# KiCad board pandemonium EC.kicad_pcb
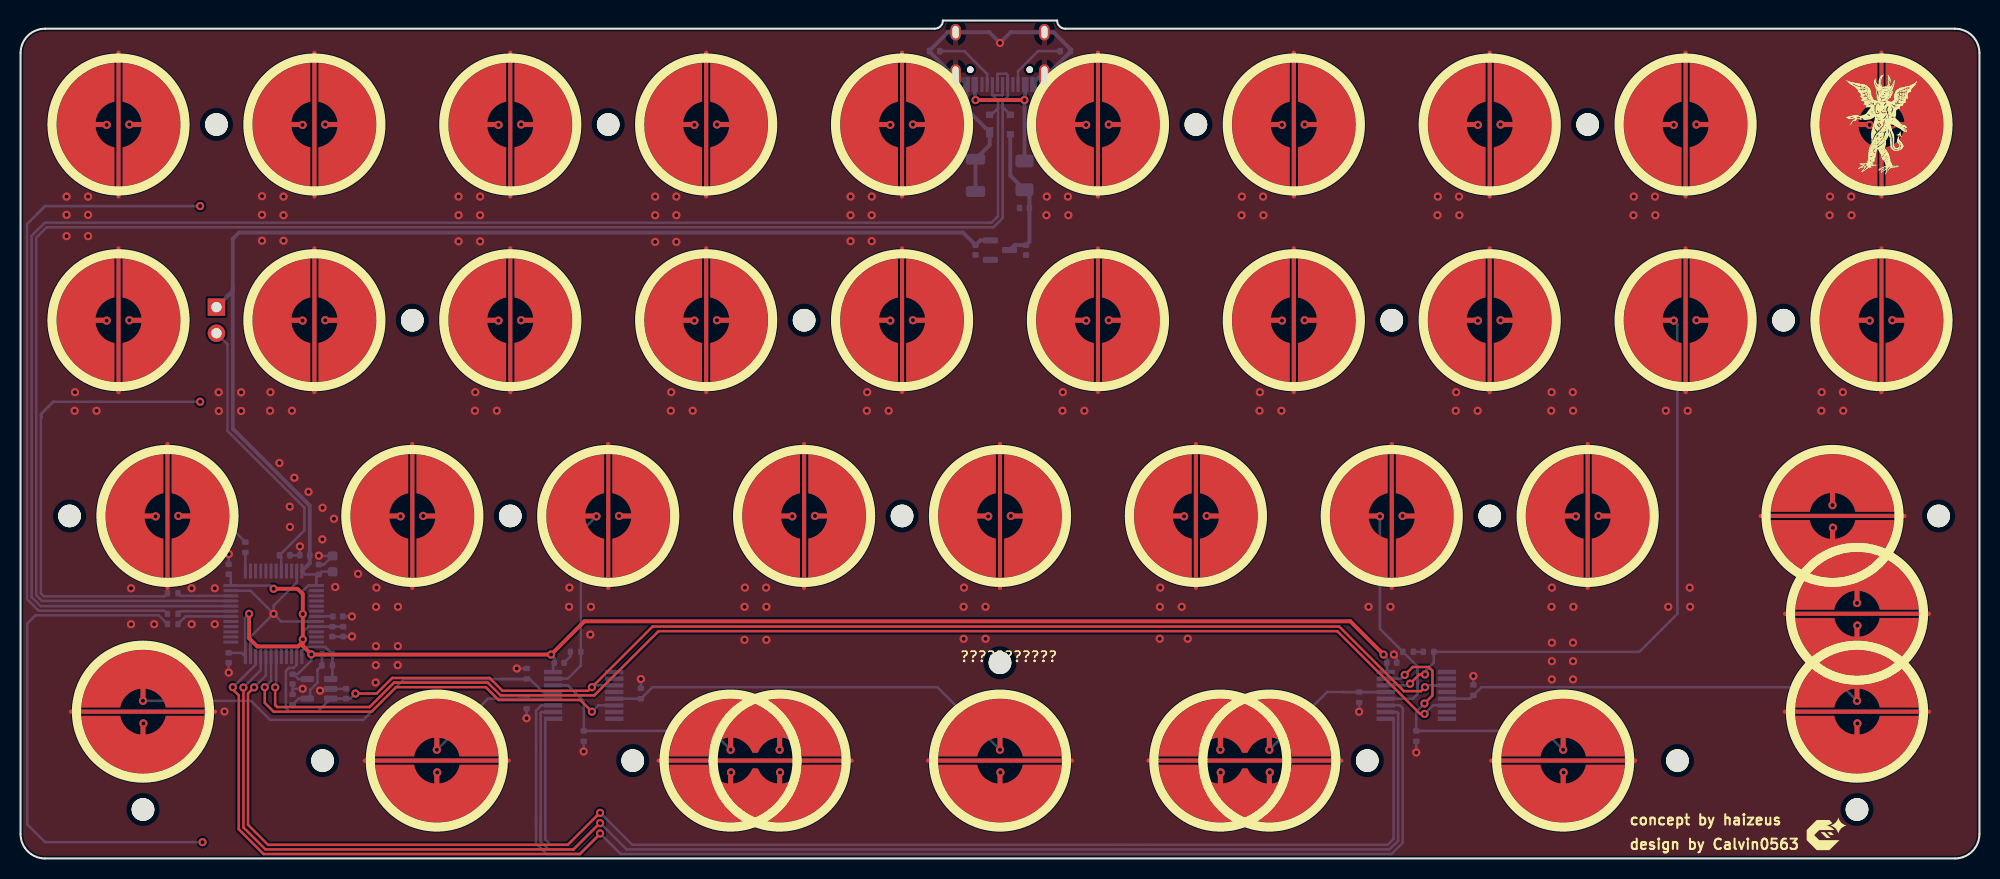
[diagram p0: board, top side]
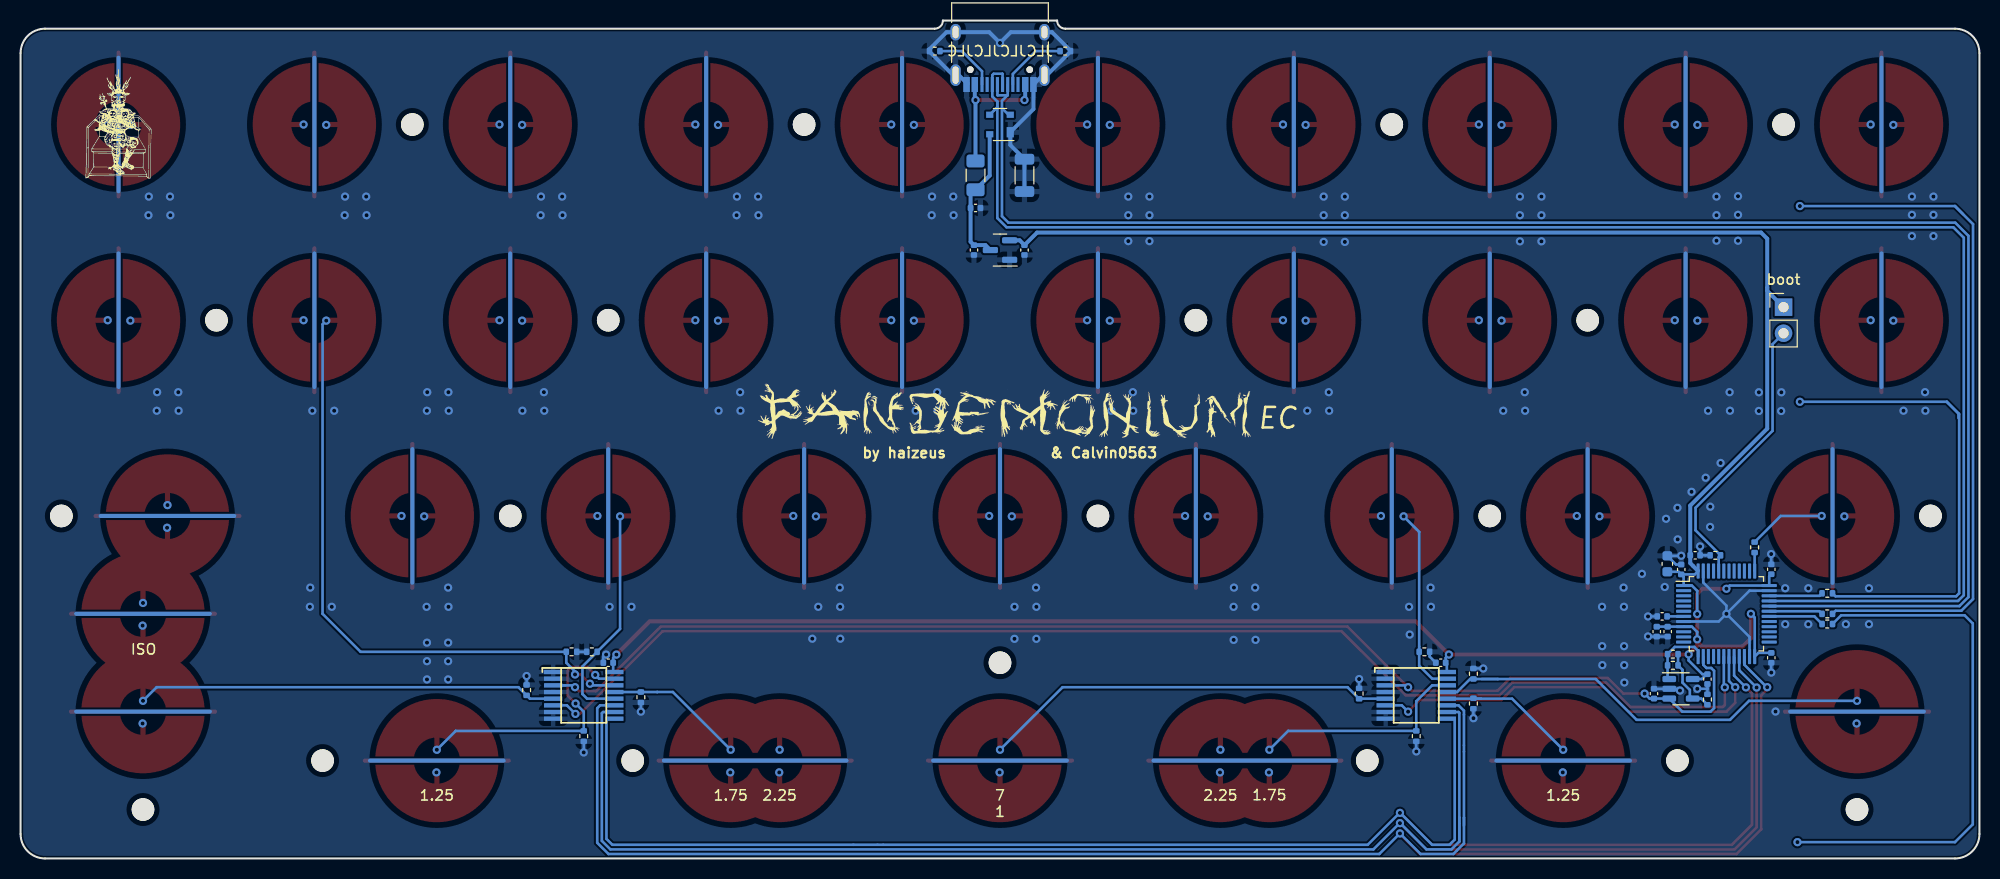
[diagram p1: board, bottom side, seen from below]

Outline 190.5 x 81.56 mm; copper layers: Top, In1.Cu, In2.Cu, Bottom. Coordinates in mm from the lower left corner of the outline.
Outline path: 0,78.38 0,2.38 arc(0.7,0.7) 2.38,0 188.12,0 arc(189.8,0.7) 190.5,2.38 190.5,78.38 arc(189.8,80.07) 188.12,80.76 101.6,80.76 arc(101.04,80.99) 100.81,81.56 89.69,81.56 arc(89.46,80.99) 88.9,80.76 2.38,80.76 arc(0.7,80.07) 0,78.38
Stack: Top 0.035mm / dielectric 0.2mm 7268 er 4.6 / In1.Cu 0.0175mm / dielectric 1.065mm FR4 er 4.5 / In2.Cu 0.0175mm / dielectric 0.2mm 7628 er 4.6 / Bottom 0.035mm

## Placement (name value [footprint] x y rotation side)
C29  100n  [C_0402_1005Metric]  26.45 17.46 90 bottom
C30  220pF NP0  [C_0402_1005Metric]  31.65 16.04 90 bottom
C31  100n  [C_0402_1005Metric]  52.39 19.05 180 bottom
C32  100n  [C_0402_1005Metric]  133.35 19.05 180 bottom
C33  100nF  [C_0402_1005Metric]  29 28.13 90 bottom
C34  100nF  [C_0402_1005Metric]  30.32 22.08 270 bottom
C35  100nF  [C_0402_1005Metric]  20.24 28.15 90 bottom
C36  100nF  [C_0402_1005Metric]  27.65 29.51 180 bottom
C37  10uF  [C_0603_1608Metric]  30.35 28.68 90 bottom
C38  100n  [C_0402_1005Metric]  20.24 19.53 270 bottom
C39  1u  [C_0402_1005Metric]  31.38 22.08 270 bottom
C40  100nF  [C_0402_1005Metric]  30.86 23.56 0 bottom
C41  1uF  [C_0402_1005Metric]  97.78 59.22 90 bottom
C42  1uF  [C_0402_1005Metric]  92.87 59.22 90 bottom
C44  100nF  [C_0402_1005Metric]  97.63 63.31 180 bottom
F3  ASMD1206-150  [Fuse_1206_3216Metric]  97.63 66.49 270 bottom
G***  -  [LOGO]  103.19 130.18 0 top
G***#2  -  [LOGO]  180.97 71.44 0 top
G***#3  -  [LOGO]  -20.64 40.48 90 top
G***#4  -  [LOGO]  175.42 2.38 0 top
G***#5  -  [LOGO]  180.97 71.44 180 bottom
G***#6  -  [LOGO]  95.25 43.66 180 bottom
G***#7  -  [LOGO]  -11.91 84.14 180 bottom
H1  MountingHole  [HOLE_M2]  19.05 71.44 0 top
H2  MountingHole  [HOLE_M2]  38.1 52.39 0 top
H3  MountingHole  [HOLE_M2]  57.15 71.44 0 top
H4  MountingHole  [HOLE_M2]  76.2 52.39 0 top
H5  MountingHole  [HOLE_M2]  114.3 71.44 0 top
H6  MountingHole  [HOLE_M2]  133.35 52.39 0 top
H7  MountingHole  [HOLE_M2]  152.4 71.44 0 top
H8  MountingHole  [HOLE_M2]  171.45 52.39 0 top
H9  MountingHole  [HOLE_M2]  4.76 33.34 0 top
H10  MountingHole  [HOLE_M2]  47.62 33.34 0 top
H11  MountingHole  [HOLE_M2]  85.72 33.34 0 top
H12  MountingHole  [HOLE_M2]  142.88 33.34 0 top
H13  MountingHole  [HOLE_M2]  186.53 33.34 0 top
H14  MountingHole  [HOLE_M2]  29.37 9.53 0 top
H15  MountingHole  [HOLE_M2]  59.53 9.53 0 top
H16  MountingHole  [HOLE_M2]  95.25 19.05 0 top
H17  MountingHole  [HOLE_M2]  130.97 9.53 0 top
H18  MountingHole  [HOLE_M2]  161.13 9.53 0 top
H19  MountingHole  [HOLE_M2]  11.91 4.76 0 top
H20  MountingHole  [HOLE_M2]  178.59 4.76 0 top
J1  USB_C_Receptacle_USB2.0  [USB_C_Receptacle_HRO_TYPE-C-31-M-12]  95.25 79.38 0 bottom
L8  60R@100MHz  [L_1206_3216Metric]  92.87 66.49 270 bottom
R1  100  [R_0402_1005Metric]  14.8 23.81 180 bottom
R2  100  [R_0402_1005Metric]  14.8 25.81 180 bottom
R3  100  [R_0402_1005Metric]  21.86 30.28 90 bottom
R4  100  [R_0402_1005Metric]  14.8 22.82 180 bottom
R13  100k  [R_0402_1005Metric]  29.82 18.79 180 bottom
R14  1k  [R_0402_1005Metric]  26.45 15.47 90 bottom
R15  DNP  [R_0402_1005Metric]  29.82 19.89 180 bottom
R16  100k  [R_0402_1005Metric]  49.21 17.98 90 bottom
R17  100k  [R_0402_1005Metric]  54.77 11.91 270 bottom
R18  100k  [R_0402_1005Metric]  53.97 20.11 180 bottom
R19  100k  [R_0402_1005Metric]  49.21 15.08 270 bottom
R20  10k  [R_0402_1005Metric]  25.68 29.51 0 bottom
R21  100k  [R_0402_1005Metric]  60.33 16.05 90 bottom
R24  100k  [R_0402_1005Metric]  130.18 15.69 270 bottom
R25  100k  [R_0402_1005Metric]  136.92 20.11 180 bottom
R26  100k  [R_0402_1005Metric]  135.73 11.91 270 bottom
R27  100k  [R_0402_1005Metric]  134.94 20.11 0 bottom
R28  100k  [R_0402_1005Metric]  141.29 16.39 90 bottom
R29  5.1k  [R_0402_1005Metric]  88.9 78.58 0 bottom
R30  5.1k  [R_0402_1005Metric]  101.6 78.58 180 bottom
SW1  DFU  [PinHeader_1x02_P2.54mm_Vertical]  19.05 53.66 180 bottom
SW_EC1  Topre  [ecs_pad_1U_no_ring]  9.52 71.44 0 top
SW_EC2  Topre  [ecs_pad_1U_no_ring]  28.58 71.44 0 top
SW_EC3  Topre  [ecs_pad_1U_no_ring]  47.62 71.44 0 top
SW_EC4  Topre  [ecs_pad_1U_no_ring]  66.67 71.44 0 top
SW_EC5  Topre  [ecs_pad_1U_no_ring]  85.72 71.44 0 top
SW_EC6  Topre  [ecs_pad_1U_no_ring]  104.78 71.44 0 top
SW_EC7  Topre  [ecs_pad_1U_no_ring]  123.82 71.44 0 top
SW_EC8  Topre  [ecs_pad_1U_no_ring]  142.88 71.44 0 top
SW_EC9  Topre  [ecs_pad_1U_no_ring]  161.93 71.44 0 top
SW_EC10  Topre  [ecs_pad_1U_no_ring]  180.97 71.44 0 top
SW_EC11  Topre  [ecs_pad_1U_no_ring]  9.52 52.39 0 top
SW_EC12  Topre  [ecs_pad_1U_no_ring]  28.58 52.39 0 top
SW_EC13  Topre  [ecs_pad_1U_no_ring]  47.62 52.39 0 top
SW_EC14  Topre  [ecs_pad_1U_no_ring]  66.67 52.39 0 top
SW_EC15  Topre  [ecs_pad_1U_no_ring]  85.72 52.39 0 top
SW_EC16  Topre  [ecs_pad_1U_no_ring]  104.78 52.39 0 top
SW_EC17  Topre  [ecs_pad_1U_no_ring]  123.82 52.39 0 top
SW_EC18  Topre  [ecs_pad_1U_no_ring]  142.88 52.39 0 top
SW_EC19  Topre  [ecs_pad_1U_no_ring]  161.93 52.39 0 top
SW_EC20  Topre  [ecs_pad_1U_no_ring]  180.97 52.39 0 top
SW_EC21  Topre  [ecs_pad_1U_no_ring]  14.29 33.34 0 top
SW_EC22  Topre  [ecs_pad_1U_no_ring]  38.1 33.34 0 top
SW_EC23  Topre  [ecs_pad_1U_no_ring]  57.15 33.34 0 top
SW_EC24  Topre  [ecs_pad_1U_no_ring]  76.2 33.34 0 top
SW_EC25  Topre  [ecs_pad_1U_no_ring]  95.25 33.34 0 top
SW_EC26  Topre  [ecs_pad_1U_no_ring]  114.3 33.34 0 top
SW_EC27  Topre  [ecs_pad_1U_no_ring]  133.35 33.34 0 top
SW_EC28  Topre  [ecs_pad_1U_no_ring]  152.4 33.34 0 top
SW_EC29  Topre  [ecs_pad_1U_no_ring]  176.21 33.34 270 top
SW_EC30  Topre  [ecs_pad_1U_no_ring]  178.59 23.81 90 top
SW_EC31  Topre  [ecs_pad_1U_no_ring]  11.91 14.29 270 top
SW_EC32  Topre  [ecs_pad_1U_no_ring]  40.48 9.53 270 top
SW_EC33  Topre  [ecs_pad_no_ring_stepped&normal]  73.82 9.53 0 top
SW_EC35  Topre  [ecs_pad_1U_no_ring]  95.25 9.53 270 top
SW_EC36  Topre  [ecs_pad_no_ring_stepped&normal]  121.44 9.53 0 top
SW_EC38  Topre  [ecs_pad_1U_no_ring]  150.02 9.53 270 top
SW_EC39  Topre  [ecs_pad_1U_no_ring]  178.59 14.29 270 top
U5  OPA354  [SOT-23-5]  29.02 16.51 180 bottom
U6  74HC4051  [TSSOP16]  54.77 15.88 270 bottom
U7  74HC4051  [TSSOP16]  135.73 15.88 270 bottom
U8  STM32F072CBT6  [LQFP-48_7x7mm_P0.5mm]  24.61 23.81 180 bottom
U9  XC6206PxxxMR-Regulator_Linear  [SOT-23]  95.25 59.22 0 bottom
U11  PRTR5V0U2X  [SOT-143]  95.25 71.44 0 bottom

## Library data of the parts
C29 C31-C36 C44 = -: Description: Unpolarized capacitor; LCSC: C307331
C30 = -: Description: Unpolarized capacitor; LCSC: C1530
C37-C39 = -: Description: Unpolarized capacitor
C40 = -: Description: Unpolarized capacitor, small symbol; LCSC: C307331
C41 C42 = -: Description: Unpolarized capacitor, small symbol; LCSC: C52923
F3 = -: Description: Resettable fuse, polymeric positive temperature coefficient; LCSC: C135341
H1-H20 = -: Description: Mounting Hole without connection
J1 = -: Description: USB 2.0-only Type-C Receptacle connector; JlcPosOffset: 0,1.5; JlcRotOffset: 180
L8 = -: LCSC: C33600; Manufacturer: MELED Industrial; Manufacturer Part No: MLB3216-600P4A(f); Package: L1206
R1-R4 = -: Description: Resistor; LCSC: C25076
R13 R16-R19 R21 R24-R28 = -: Description: Resistor; LCSC: C25741
R14 = -: Description: Resistor; LCSC: C11702
R15 R29 R30 = -: Description: Resistor
R20 = -: Description: Resistor, small symbol
SW1 = -: Description: Push button switch, generic, two pins
U5 = -: Description: Single Single-Supply, Rail-to-Rail Operational Amplifier, MicroAmplifier Series, SOT-23-5
U6 U7 = -: Description: 8-channel analog multiplexer/demultiplexer, DIP-16/SOIC-16/TSSOP-16; LCSC: C5645
U8 = -: Description: STMicroelectronics Arm Cortex-M0 MCU, 128KB flash, 16KB RAM, 48 MHz, 2.0-3.6V, 37 GPIO, LQFP48; JlcRotOffset: 90
U9 = -: Description: SMD LDO regulator family; LCSC: C5446
U11 = -: Description: Ultra low capacitance double rail-to-rail ESD protection diode, SOT-143; JlcRotOffset: 90; LCSC: C2827688

## Footprints (pads in the part's own frame, mm; a bottom-side part is the same pattern mirrored in y, then rotated)
C_0402_1005Metric
  rrect 0.56x0.62 smd: 1(-0.48,0) 2(0.48,0)
C_0603_1608Metric
  rrect 0.9x0.95 smd: 1(-0.775,0) 2(0.775,0)
ecs_pad_1U_no_ring
  custom 5.595x11.973 smd: 1(-1,0) 2(1,0)
  custom 0.4x14.4 smd: 3(0,0)
  custom 0.4x13.4 smd far side: 3(0,0)
ecs_pad_no_ring_stepped&normal
  custom 16.734x5.595 smd: 1(0,1.002) 2(0,-1.002)
  custom 19.163x0.4 smd: 3(0,0)
  custom 18.163x0.4 smd far side: 3(0,0)
Fuse_1206_3216Metric
  rrect 1.25x1.75 smd: 1(-1.4,0) 2(1.4,0)
HOLE_M2
  round 2.2 hole 2.2 unplated: (0,0)
L_1206_3216Metric
  rrect 1.05x1.9 smd: 1(-1.575,0) 2(1.575,0)
LQFP-48_7x7mm_P0.5mm
  rrect 1.475x0.3 smd: 1(-4.162,2.75) 2(-4.162,2.25) 3(-4.162,1.75) 4(-4.162,1.25) 5(-4.162,0.75) 6(-4.162,0.25) 7(-4.162,-0.25) 8(-4.162,-0.75) 9(-4.162,-1.25) 10(-4.162,-1.75) 11(-4.162,-2.25) 12(-4.162,-2.75) 25(4.162,-2.75) 26(4.162,-2.25) 27(4.162,-1.75) 28(4.162,-1.25) 29(4.162,-0.75) 30(4.162,-0.25) 31(4.162,0.25) 32(4.162,0.75) 33(4.162,1.25) 34(4.162,1.75) 35(4.162,2.25) 36(4.162,2.75)
  rrect 0.3x1.475 smd: 13(-2.75,-4.162) 14(-2.25,-4.162) 15(-1.75,-4.162) 16(-1.25,-4.162) 17(-0.75,-4.162) 18(-0.25,-4.162) 19(0.25,-4.162) 20(0.75,-4.162) 21(1.25,-4.162) 22(1.75,-4.162) 23(2.25,-4.162) 24(2.75,-4.162) 37(2.75,4.162) 38(2.25,4.162) 39(1.75,4.162) 40(1.25,4.162) 41(0.75,4.162) 42(0.25,4.162) 43(-0.25,4.162) 44(-0.75,4.162) 45(-1.25,4.162) 46(-1.75,4.162) 47(-2.25,4.162) 48(-2.75,4.162)
PinHeader_1x02_P2.54mm_Vertical
  rect 1.7x1.7 hole 1: 1(0,0)
  oval 1.7x1.7 hole 1: 2(0,-2.54)
R_0402_1005Metric
  rrect 0.54x0.64 smd: 1(-0.51,0) 2(0.51,0)
SOT-23
  rrect 1.475x0.6 smd: 1(-0.938,0.95) 2(-0.938,-0.95) 3(0.938,0)
SOT-23-5
  rrect 1.325x0.6 smd: 1(-1.137,0.95) 2(-1.137,0) 3(-1.137,-0.95) 4(1.137,-0.95) 5(1.137,0.95)
SOT-143
  rect 0.7x1 smd: 1(-1,0.75)
  rect 0.7x0.6 smd: 2(-1,-0.95) 3(1,-0.95) 4(1,0.95)
TSSOP16
  rect 0.419x1.778 smd: 1(-2.273,-2.974) 2(-1.623,-2.974) 3(-0.973,-2.974) 4(-0.323,-2.974) 5(0.323,-2.974) 6(0.973,-2.974) 7(1.623,-2.974) 8(2.273,-2.974) 9(2.273,2.974) 10(1.623,2.974) 11(0.973,2.974) 12(0.323,2.974) 13(-0.323,2.974) 14(-0.973,2.974) 15(-1.623,2.974) 16(-2.273,2.974)
USB_C_Receptacle_HRO_TYPE-C-31-M-12
  round 0.65 hole 0.65 unplated: (-2.89,2.6) (2.89,2.6)
  rect 0.6x1.45 smd: A1(-3.25,4.045) A4(-2.45,4.045) A9(2.45,4.045) A12(3.25,4.045) B1(3.25,4.045) B4(2.45,4.045) B9(-2.45,4.045) B12(-3.25,4.045)
  rect 0.3x1.45 smd: A5(-1.25,4.045) A6(-0.25,4.045) A7(0.25,4.045) A8(1.25,4.045) B5(1.75,4.045) B6(0.75,4.045) B7(-0.75,4.045) B8(-1.75,4.045)
  oval 1x1.6 hole 0.6x1.2: S1(-4.32,-1.05) S1(4.32,-1.05)
  oval 1x2.1 hole 0.6x1.7: S1(-4.32,3.13) S1(4.32,3.13)

## Nets
+3V3: C29.2 C31.2 C32.2 C33.1 C34.1 C35.1 C36.1 C37.1 C38.1 C39.1 C42.2 SW1.1 U5.5 U6.16 U7.16 U8.1 U8.9 U8.24 U8.36 U8.48 U9.2
+5V: C41.2 C44.1 F3.2 U9.3 U11.4
GND: C29.1 C30.2 C31.1 C32.1 C33.2 C34.2 C35.2 C36.2 C37.2 C38.2 C39.2 C40.2 C41.1 C42.1 C44.2 J1.A1 J1.A12 J1.B1 J1.B12 J1.S1 L8.1 L8.2 R14.2 R16.2 R17.2 R18.2 R19.2 R20.2 R21.2 R24.2 R25.2 R26.2 R27.2 R28.2 R29.1 R30.1 SW_EC1.3 SW_EC2.3 SW_EC3.3 SW_EC4.3 SW_EC5.3 SW_EC6.3 SW_EC7.3 SW_EC8.3 SW_EC9.3 SW_EC10.3 SW_EC11.3 SW_EC12.3 SW_EC13.3 SW_EC14.3 SW_EC15.3 SW_EC16.3 SW_EC17.3 SW_EC18.3 SW_EC19.3 SW_EC20.3 SW_EC21.3 SW_EC22.3 SW_EC23.3 SW_EC24.3 SW_EC25.3 SW_EC26.3 SW_EC27.3 SW_EC28.3 SW_EC29.3 SW_EC30.3 SW_EC31.3 SW_EC32.3 SW_EC33.3 SW_EC35.3 SW_EC36.3 SW_EC38.3 SW_EC39.3 U5.2 U6.1 U6.2 U6.4 U6.7 U6.8 U7.1 U7.2 U7.4 U7.7 U7.8 U8.8 U8.23 U8.35 U8.47 U9.1 U11.1
VBUS: F3.1 J1.A4 J1.A9 J1.B4 J1.B9
ADC: R13.1 R15.1 U5.1 U8.13
AMUX_SEL_0: U6.11 U7.11 U8.22
AMUX_SEL_1: U6.10 U7.10 U8.21
AMUX_SEL_2: U6.9 U7.9 U8.20
APLEX_EN_PIN_0: U6.6 U8.19
APLEX_EN_PIN_1: U7.6 U8.18
APLEX_OUT: C30.1 U5.3 U6.3 U7.3 U8.14
BOOT0: R20.1 SW1.2 U8.44
COL0: R16.1 SW_EC1.1 SW_EC11.1 SW_EC21.1 SW_EC31.1 U6.13
COL1: R19.1 SW_EC2.1 SW_EC12.1 SW_EC22.1 SW_EC32.1 U6.12
COL2: R18.1 SW_EC3.1 SW_EC13.1 SW_EC23.1 U6.15
COL3: R17.1 SW_EC4.1 SW_EC14.1 SW_EC24.1 SW_EC33.1 U6.14
COL4: R21.1 SW_EC5.1 SW_EC15.1 SW_EC25.1 SW_EC35.1 U6.5
COL5: R24.1 SW_EC6.1 SW_EC16.1 SW_EC26.1 SW_EC36.1 U7.13
COL6: R27.1 SW_EC7.1 SW_EC17.1 SW_EC27.1 U7.12
COL7: R26.1 SW_EC8.1 SW_EC18.1 SW_EC28.1 SW_EC38.1 U7.15
COL8: R25.1 SW_EC9.1 SW_EC19.1 U7.14
COL9: R28.1 SW_EC10.1 SW_EC20.1 SW_EC29.1 SW_EC30.1 SW_EC39.1 U7.5
D_N: J1.A7 J1.B7 U8.32 U11.2
D_P: J1.A6 J1.B6 U8.33 U11.3
NRST: C40.1 U8.7
ROW0: R1.2 SW_EC1.2 SW_EC2.2 SW_EC3.2 SW_EC4.2 SW_EC5.2 SW_EC6.2 SW_EC7.2 SW_EC8.2 SW_EC9.2 SW_EC10.2
ROW1: R2.2 SW_EC11.2 SW_EC12.2 SW_EC13.2 SW_EC14.2 SW_EC15.2 SW_EC16.2 SW_EC17.2 SW_EC18.2 SW_EC19.2 SW_EC20.2
ROW2: R3.2 SW_EC21.2 SW_EC22.2 SW_EC23.2 SW_EC24.2 SW_EC25.2 SW_EC26.2 SW_EC27.2 SW_EC28.2 SW_EC29.2 SW_EC30.2
ROW3: R4.2 SW_EC31.2 SW_EC32.2 SW_EC33.2 SW_EC35.2 SW_EC36.2 SW_EC38.2 SW_EC39.2
Net-(J1-CC1): J1.A5 R29.2
Net-(J1-CC2): J1.B5 R30.2
Net-(U5--): R13.2 R14.1 R15.2 U5.4
Net-(U8-PA9): R4.1 U8.30
Net-(U8-PA10): R1.1 U8.31
Net-(U8-PA13): R2.1 U8.34
Net-(U8-PA14): R3.1 U8.37

Pads without a net: J1 A8 B8; U8 2 3 4 5 6 10 11 12 15 16 17 25 26 27 28 29 38 39 40 41 42 43 45 46

## Via types
v1: diameter 0.8, hole 0.4, Top to Bottom, 273 vias

## Routing (per net, layer and track width the routed paths; a pad name or vN(x,y) marks a point on that pad's centre or on a via; arc(x,y) is an arc through that point)
+3V3: length 271.2
  Top w0.381: v1(27.45,21.33) 27.45,21.33 v1(27.45,23.79) 27.45,25.73 26.93,26.25 v1(24.61,26.25) ; v1(27.45,21.33) 27.45,20.69 v1(28.28,19.86) 28.3,19.84 v1(51.59,19.84) 54.83,23.08 129.32,23.08 v1(132.56,19.84) ; v1(27.45,21.33) 27.45,21.1 26.99,20.64 23.02,20.64 22.23,21.43 v1(22.23,23.81)
  Bottom w0.25: 27.87,28.49 U8.48 27.68,27.65 C33.1 ; v1(27.45,21.33) 27.45,22.05 27.97,22.56 U8.9 31.37,22.56 C39.1 ; v1(132.56,19.84) 132.87,19.53 C32.2 132.87,18.26 U7.16 ; v1(27.45,23.79) 27.45,26.05 27.97,26.56 U8.1 28.77,27.41 C33.1 ; v1(51.59,19.84) 51.91,19.53 C31.2 51.79,18.94 U6.16 ; C38.1 21.5,20.01 U8.24 21.86,23.44 v1(22.23,23.81) ; C33.1 29.26,27.9 C37.1 ; U5.5 27,17.46 26.53,17.94 C29.2 26.95,17.94 28.28,19.27 v1(28.28,19.86) ; C35.1 20.44,27.46 U8.36 24.29,26.56 v1(24.61,26.25)
  Bottom w0.381: 20.64,55.56 20.64,55.25 SW1.1 ; 20.64,55.56 20.64,60.33 21.23,60.92 91.65,60.92 C42.2 93.34,60.17 U9.2 ; 20.64,55.56 20.64,41.83 28.12,34.34 C36.1 28.12,28.74 27.4,28.02 27.4,27.98
+5V: length 13.5
  Bottom w0.381: U9.3 96.67,59.7 C41.2 98.11,60.03 C44.1 98.11,64.61 F3.2 96.25,66.47 U11.4
GND: length 82
  Bottom w0.25: v1(29,29.46) 29.01,29.45 C37.2 29.5,28.61 C33.2 ; v1(20.25,29.63) 20.24,29.62 C35.2 ; v1(49.21,13.65) 49.21,13.65 R19.2 ; R28.2 v1(141.29,17.76) ; v1(32.23,23.55) 32.22,23.56 C40.2 ; 53.47,20.11 53.47,19.65 C31.1 ; R20.2 C36.2 27.16,30.37 v1(27.17,30.37) ; v1(24.61,23.81) 22.36,21.56 U8.23 ; v1(24.61,23.81) 25.36,23.06 U8.8 ; v1(24.61,23.81) 22.36,26.06 U8.35 ; v1(24.61,23.81) 24.61,24.61 26.86,26.86 U8.47 ; v1(29.12,16.34) 29.3,16.51 U5.2 31.64,16.51 C30.2 ; R24.2 v1(130.18,14.29) ; v1(133.56,19.84) 133.83,19.57 C32.1 ; R27.2 R25.2 ; R16.2 48.26,18.49 v1(48.26,18.49) ; 20.24,19.05 20.24,19.05 v1(20.24,18.09) ; 26.45,16.51 v1(27.44,16.51) ; 26.45,16.51 R14.2 ; 26.45,16.51 C29.1 ; R17.2 54.77,10.42 v1(54.76,10.41) ; 60.33,16.56 v1(60.33,17.46) ; R26.2 v1(135.73,10.32) ; C34.2 C39.2 32.22,21.6 v1(32.23,21.61)
  Bottom w0.381: 98.43,75.41 99.26,76.25 J1.S1 99.82,76.25 102.11,78.54 R30.1 102.11,78.77 100.45,80.43 J1.S1 96.3,80.43 v1(95.25,79.38) 94.2,80.43 J1.S1 90.19,80.43 88.39,78.62 R29.1 88.39,78.54 90.68,76.25 J1.S1 91.08,76.25 J1.A1 92,72.94 U11.1 94.25,69.44 L8.1 L8.2
  vias: v1(4.47,64.42) v1(4.47,62.64) v1(4.47,60.57) v1(5.29,45.38) v1(5.26,43.58) v1(6.57,64.42) v1(6.57,62.64) v1(6.57,60.57) v1(7.39,43.58) v1(10.74,26.3) v1(10.74,22.8) v1(12.99,22.8) v1(16.64,26.3) v1(16.64,22.8) v1(18.89,26.3) v1(18.89,22.8) v1(19.27,45.37) v1(19.28,43.55) v1(19.83,14.3) v1(21.45,45.37) v1(21.45,43.55) v1(23.48,64.46) v1(23.48,62.64) v1(23.48,60.13) v1(24.3,45.38) v1(24.26,43.58) v1(25.17,38.49) v1(25.57,64.42) v1(25.57,62.61) v1(25.57,60.13) v1(26.18,34.24) v1(26.2,32.26) v1(26.39,43.58) v1(26.62,37.06) v1(28,35.68) v1(29.37,34.13) v1(29.35,31.06) v1(30.48,33.06) v1(30.6,26.42) v1(32.82,27.7) v1(34.57,24.49) v1(34.56,20.66) v1(34.55,18.82) v1(34.53,17.13) v1(34.61,26.36) v1(36.69,20.66) v1(36.68,18.82) v1(36.7,24.49) v1(42.6,64.42) v1(42.6,62.61) v1(42.6,60.07) v1(44.18,43.58) v1(44.22,45.38) v1(44.69,64.42) v1(44.69,62.61) v1(44.69,60.07) v1(46.31,43.58) v1(53.38,26.36) v1(53.34,24.49) v1(55.47,24.49) v1(55.41,21.79) v1(61.71,64.42) v1(61.71,62.61) v1(61.71,60.01) v1(63.28,45.38) v1(63.24,43.58) v1(63.77,64.42) v1(63.77,62.61) v1(63.77,60.01) v1(65.37,43.58) v1(70.4,21.28) v1(70.44,26.36) v1(70.41,24.49) v1(72.5,26.36) v1(72.53,24.49) v1(72.53,21.28) v1(80.72,64.42) v1(80.72,62.61) v1(80.72,60.09) v1(82.3,43.58) v1(82.33,45.38) v1(82.77,64.42) v1(82.77,62.61) v1(82.77,60.09) v1(84.42,43.58) v1(91.75,26.36) v1(91.71,24.49) v1(91.72,21.38) v1(93.84,24.49) v1(93.84,21.38) v1(99.8,64.42) v1(99.76,62.61) v1(101.36,45.38) v1(101.33,43.58) v1(101.86,64.42) v1(101.89,62.61) v1(103.45,43.58) v1(110.8,24.49) v1(110.78,21.39) v1(110.83,26.36) v1(112.92,24.49) v1(113.51,21.39) v1(118.77,64.42) v1(118.74,62.61) v1(120.49,43.58) v1(120.52,45.38) v1(120.83,64.42) v1(120.87,62.61) v1(122.62,43.58) v1(131.09,24.49) v1(133.22,24.49) v1(137.8,62.61) v1(137.83,64.42) v1(139.57,43.58) v1(139.61,45.38) v1(139.89,64.42) v1(139.92,62.61) v1(141.7,43.58) v1(148.89,45.38) v1(148.86,43.58) v1(148.89,24.49) v1(148.92,26.36) v1(148.92,21) v1(148.92,19.2) v1(148.92,17.43) v1(150.95,45.38) v1(150.99,43.58) v1(150.98,21) v1(150.98,19.2) v1(150.98,17.43) v1(151.01,24.49) v1(156.89,64.42) v1(156.85,62.61) v1(158.94,64.42) v1(158.98,62.61) v1(160,43.58) v1(160.24,24.49) v1(162.13,43.58) v1(162.33,26.36) v1(162.37,24.49) v1(175.16,45.38) v1(175.13,43.58) v1(175.97,64.42) v1(175.93,62.61) v1(177.22,45.38) v1(177.26,43.58) v1(178.03,64.42) v1(178.06,62.61)
VBUS: length 13.8
  Top w0.381: v1(92.87,73.82) v1(97.63,73.82)
  Bottom w0.381: J1.A4 92.8,73.89 v1(92.87,73.82) ; F3.1 v1(97.63,73.82) 97.7,73.89 J1.A9
ADC: length 6.5
  Bottom w0.25: U8.13 27.36,20.21 27.73,20.59 29.63,20.59 R15.1 30.33,17.63 U5.1
AMUX_SEL_0: length 172.3
  Top w0.25: v1(20.64,16.67) 20.64,16.46 21.22,15.88 21.22,2.84 23.63,0.43 54.41,0.43 56.36,2.38 v1(56.36,2.44)
  Bottom w0.25: 50.13,3.97 50.13,1.46 51.16,0.43 54.35,0.43 v1(56.36,2.44) 58.36,0.43 133.32,0.43 134.42,1.53 134.42,14.62 134.14,14.9 U7.11 ; 50.13,3.97 50.13,14.38 50.66,14.9 U6.11 ; 50.13,3.97 50.13,3.21 ; U8.22 22.86,18.85 20.68,16.67 v1(20.64,16.67)
AMUX_SEL_1: length 169.9
  Top w0.25: v1(21.67,16.64) 21.67,3.02 23.81,0.88 53.77,0.88 56.33,3.44 v1(56.36,3.44)
  Bottom w0.25: 50.58,3.97 50.58,1.65 ; 50.58,3.97 50.58,1.65 ; 50.58,3.97 50.58,14.18 50.66,14.25 U6.10 ; 50.58,1.65 51.35,0.88 53.78,0.88 56.33,3.44 v1(56.36,3.44) 56.38,3.44 58.94,0.88 133.14,0.88 133.97,1.72 133.97,14.14 133.86,14.25 U7.10 ; U8.21 23.36,18.32 v1(21.67,16.64)
AMUX_SEL_2: length 163.9
  Top w0.25: v1(56.36,4.44) 56.33,4.44 53.22,1.33 24.07,1.33 22.12,3.28 22.12,16.06 v1(22.71,16.65)
  Bottom w0.25: 109.49,1.33 132.95,1.33 133.52,1.9 133.52,13.49 133.41,13.6 U7.9 ; 109.54,1.33 59.49,1.33 56.38,4.44 v1(56.36,4.44) 56.33,4.44 53.23,1.33 51.53,1.33 51.03,1.84 51.03,13.54 51.09,13.6 U6.9 ; U8.20 23.86,17.8 v1(22.71,16.65)
APLEX_EN_PIN_0: length 41.3
  Top w0.25: v1(23.75,16.67) 23.75,15.14 24.61,14.29 34.13,14.29 36.51,16.67 45.24,16.67 46.49,15.43 54.42,15.43 v1(55.56,14.29)
  Bottom w0.25: U8.19 24.36,17.27 v1(23.75,16.67) ; v1(55.56,14.29) 56.18,14.9 U6.6
APLEX_EN_PIN_1: length 126.6
  Top w0.25: v1(136.54,14.07) 136.11,14.07 128.06,22.12 62.04,22.12 55.79,15.88 46.67,15.88 45.43,17.12 36.33,17.12 33.94,14.74 24.95,14.74 24.76,14.92 v1(24.76,16.65)
  Bottom w0.25: v1(136.54,14.07) 137.37,14.9 U7.6 ; U8.18 24.86,16.75 v1(24.76,16.65)
APLEX_OUT: length 129.5
  Top w0.25: v1(136.58,16.67) 136.19,16.28 134.53,16.28 128.24,22.57 61.46,22.57 v1(55.56,16.67) 55.22,16.33 46.86,16.33 45.62,17.57 36.14,17.57 34.62,16.05 v1(32.56,16.05)
  Bottom w0.25: U8.14 26.86,18.85 26.55,18.54 26.09,18.54 25.8,18.26 25.8,14.63 26.15,14.29 28.89,14.29 U5.3 31.65,15.56 C30.1 32.08,15.56 v1(32.56,16.05) ; U6.3 55.74,16.85 v1(55.56,16.67) ; v1(136.58,16.67) 136.76,16.85 U7.3 137.57,16.85
BOOT0: length 27.8
  Bottom w0.25: SW1.2 20.12,50.05 20.12,41.62 27.61,34.13 27.61,31.94 R20.1 ; U8.44 25.36,29.32 R20.1 ; R20.1 25.22,29.55
COL0: length 107
  In2.Cu w0.5: v1(11.91,15.34) 11.91,32.07 v1(13.14,33.3) 6.35,40.08 6.35,50.32 v1(8.37,52.35) 5.56,55.17 5.56,68.58 v1(8.37,71.4)
  Bottom w0.25: 46.83,17.46 49.2,17.46 R16.1 49.53,17.47 50.8,16.2 U6.13 ; 46.83,17.46 37.31,17.46 33.34,13.49 24.25,13.49 22.41,15.34 v1(11.91,15.34) ; 46.83,17.46 48.41,17.46
COL1: length 88.4
  In2.Cu w0.5: v1(27.42,71.4) 24.61,68.58 24.61,55.17 v1(27.42,52.35) 25.4,50.32 25.4,39.69 31.75,33.34 36.91,33.34 v1(36.95,33.3) 35.72,32.07 35.72,15.34 v1(40.48,10.58)
  Bottom w0.25: 48.46,15.55 49.21,15.55 ; 49.21,15.55 U6.12 ; 49.21,15.55 45.45,15.55 v1(40.48,10.58)
COL2: length 66.8
  In2.Cu w0.5: v1(46.47,71.4) 43.66,68.58 43.66,55.17 v1(46.47,52.35) 45.24,51.12 45.24,38.89 50.84,33.3 v1(56,33.3)
  Bottom w0.25: U6.15 53.22,17.5 54.48,18.77 54.48,31.78 v1(56,33.3)
COL3: length 98.6
  In2.Cu w0.5: 71.44,13.49 71.44,29.69 v1(75.05,33.3) 70.68,33.3 64.29,39.69 64.29,51.12 v1(65.52,52.35) 62.71,55.17 62.71,68.58 v1(65.52,71.4) ; 71.44,13.49 73.82,11.11 v1(73.82,10.58) ; 71.44,13.49 69.06,11.11 v1(69.06,10.58)
  Bottom w0.25: v1(69.06,10.58) 67.22,12.42 R17.1 54.77,15.3 53.22,16.85 U6.14
COL4: length 112.7
  In2.Cu w0.5: v1(84.57,71.4) 81.76,68.58 81.76,55.17 v1(84.57,52.35) 83.34,51.12 83.34,39.69 89.69,33.34 94.06,33.34 v1(94.1,33.3) 92.87,32.07 92.87,12.96 v1(95.25,10.58)
  Bottom w0.25: U6.5 60.31,15.55 R21.1 61.45,16.67 89.16,16.67 v1(95.25,10.58)
COL5: length 93.6
  In2.Cu w0.5: 119.06,13.49 116.68,11.11 v1(116.68,10.58) ; 119.06,13.49 119.06,14.29 111.92,21.43 111.92,32.07 v1(113.15,33.3) 107.2,33.3 102.39,38.1 102.39,51.12 v1(103.62,52.35) 100.81,55.17 100.81,68.58 v1(103.62,71.4) ; 119.06,13.49 121.44,11.11 v1(121.44,10.58)
  Bottom w0.25: U7.13 128.59,16.2 128.59,16.2 127.07,16.2 v1(121.44,10.58)
COL6: length 70.5
  In2.Cu w0.5: v1(122.67,71.4) 119.86,68.58 119.86,55.17 v1(122.67,52.35) 121.44,51.12 121.44,38.89 127.04,33.3 v1(132.2,33.3)
  Bottom w0.25: v1(132.2,33.3) 132.2,22.34 R27.1 135.86,18.68 135.86,16 135.41,15.55 U7.12
COL7: length 97.9
  Top w0.25: v1(134.61,17.86) 135.38,18.63 136.94,18.63 137.3,18.27 137.3,15.86 v1(136.53,15.08)
  In2.Cu w0.5: v1(150.02,10.58) 150.02,32.07 v1(151.25,33.3) 151.21,33.34 146.84,33.34 140.49,39.69 140.49,51.12 v1(141.72,52.35) 138.91,55.17 138.91,68.58 v1(141.72,71.4)
  Bottom w0.25: v1(136.53,15.08) 135.73,14.29 R26.1 148.18,12.42 v1(150.02,10.58) ; v1(134.61,17.86) 134.25,17.5 U7.15
COL8: length 82.1
  Top w0.25: 135.14,16.99 v1(135.13,17.01) 136.03,17.91 v1(136.58,17.91)
  In2.Cu w0.5: v1(160.77,52.35) 157.96,55.17 157.96,68.58 v1(160.77,71.4)
  Bottom w0.25: v1(136.58,17.91) 136.58,18.2 137.43,19.05 R25.1 157.43,20.11 161.13,23.81 161.13,51.99 v1(160.77,52.35) ; U7.14 134.97,16.85 v1(135.13,17.01)
COL9: length 129.7
  In2.Cu w0.5: 178.59,19.05 178.59,22.62 v1(178.63,22.66) ; 178.59,19.05 188.12,19.05 188.91,19.84 188.91,34.93 186.53,37.31 179.13,37.31 v1(176.21,34.39) 176.21,48.74 v1(179.82,52.35) 177.01,55.17 177.01,68.58 v1(179.82,71.4) ; 178.59,19.05 v1(178.59,15.34)
  Bottom w0.25: v1(178.59,15.34) 177.27,16.67 142.08,16.67 R28.1 140.96,15.55 U7.5
D_N: length 165.8
  Bottom w0.25: 94.5,74.31 95.06,73.75 95.06,73.03 ; 94.5,74.31 94.53,74.28 95.47,74.28 95.5,74.31 J1.A7 ; 94.5,74.31 J1.B7 ; 95.06,73.03 95.06,62.52 94.43,61.88 2.35,61.88 1.07,60.6 1.07,25.44 1.95,24.56 U8.32 ; 95.06,73.03 94.42,72.39 U11.2
D_P: length 166.9
  Bottom w0.25: 95.51,73.03 95.61,73.03 95.83,72.81 ; 95.51,73.03 95.51,62.33 94.61,61.43 2.54,61.43 1.52,60.42 1.52,25.62 2.08,25.06 U8.33 ; 95.51,73.03 95.51,73.68 ; 95.51,73.68 96,74.17 J1.B6 96,76.24 95.86,76.38 95.03,76.38 95,76.36 J1.A6 ; 95.51,73.68 95.51,73.13 95.83,72.81 ; 95.83,72.81 U11.3
NRST: length 1.6
  Bottom w0.25: C40.1 30.37,23.56 U8.7
ROW0: length 345
  In1.Cu w0.5: 150.02,63.5 169.07,63.5 ; 150.02,63.5 129.38,63.5 ; 150.02,63.5 150.02,65.35 v1(143.93,71.44) ; 169.07,63.5 186.53,63.5 187.32,64.29 187.32,66.14 v1(182.03,71.44) ; 169.07,63.5 169.07,65.35 v1(162.98,71.44) ; 73.82,63.5 73.82,65.35 v1(67.73,71.44) ; 73.82,63.5 54.77,63.5 ; 73.82,63.5 92.87,63.5 ; 92.87,63.5 92.87,65.35 v1(86.78,71.44) ; 92.87,63.5 111.92,63.5 ; v1(10.58,71.44) 16.67,65.35 16.67,64.29 v1(17.46,63.5) 35.72,63.5 ; 129.38,63.5 130.97,63.5 130.97,65.35 v1(124.88,71.44) ; 129.38,63.5 111.92,63.5 ; 35.72,63.5 35.72,65.35 v1(29.63,71.44) ; 35.72,63.5 54.77,63.5 ; v1(105.83,71.44) 111.92,65.35 111.92,63.5 ; 54.77,63.5 54.77,65.35 v1(48.68,71.44)
  Bottom w0.25: 2.38,63.5 0.62,61.74 0.62,25.25 1.76,24.11 13.98,24.11 R1.2 ; 2.38,63.5 v1(17.46,63.5) ; 2.38,63.5 1.59,62.71
ROW1: length 323.6
  In1.Cu w0.5: 169.07,44.45 169.07,46.3 v1(162.98,52.39) ; 169.07,44.45 186.53,44.45 187.32,45.24 187.32,47.09 v1(182.03,52.39) ; 169.07,44.45 150.02,44.45 ; 92.87,44.45 75.41,44.45 ; 92.87,44.45 111.92,44.45 ; 92.87,44.45 92.87,46.3 v1(86.78,52.39) ; 75.41,44.45 54.77,44.45 ; 75.41,44.45 73.82,44.45 73.82,46.3 v1(67.73,52.39) ; 150.02,44.45 150.02,46.3 v1(143.93,52.39) ; 150.02,44.45 130.97,44.45 ; v1(48.68,52.39) 54.77,46.3 54.77,44.45 ; v1(10.58,52.39) 16.67,46.3 16.67,45.24 v1(17.46,44.45) 35.72,44.45 ; 54.77,44.45 35.72,44.45 ; 35.72,44.45 35.72,46.3 v1(29.63,52.39) ; 111.92,44.45 130.97,44.45 ; 111.92,44.45 111.92,46.3 v1(105.83,52.39) ; 130.97,44.45 130.97,46.3 v1(124.88,52.39)
  Bottom w0.25: 2.04,42.86 2.04,43.31 3.17,44.45 ; 3.17,44.45 1.97,43.25 1.97,25.81 2.27,25.51 13.99,25.51 R2.2 ; 3.17,44.45 v1(17.46,44.45)
ROW2: length 258.2
  In1.Cu w0.5: v1(39.15,33.34) 45.24,27.25 45.24,25.4 ; 45.24,25.4 33.34,25.4 31.75,26.99 31.75,30.16 28.57,33.34 v1(15.34,33.34) ; 45.24,25.4 64.29,25.4 ; 159.54,25.4 140.49,25.4 ; 159.54,25.4 159.54,27.25 v1(153.45,33.34) ; 159.54,25.4 171.45,25.4 ; 140.49,25.4 121.44,25.4 ; 140.49,25.4 140.49,27.25 v1(134.4,33.34) ; 121.44,25.4 102.39,25.4 ; 121.44,25.4 121.44,27.25 v1(115.35,33.34) ; 64.29,25.4 83.34,25.4 ; 64.29,25.4 64.29,27.25 v1(58.2,33.34) ; 171.45,25.4 172.24,26.19 172.24,28.18 v1(176.25,32.19) ; 171.45,25.4 178.06,25.4 v1(178.59,24.87) ; 102.39,25.4 83.34,25.4 ; 102.39,25.4 102.39,27.25 v1(96.3,33.34) ; 83.34,25.4 83.34,27.25 v1(77.25,33.34)
  Bottom w0.25: v1(15.34,33.34) 19.32,33.34 R3.2
ROW3: length 281.4
  In1.Cu w0.5: 71.44,5.56 71.44,2.38 72.23,1.59 ; 71.44,5.56 73.86,7.98 v1(73.86,8.37) ; 71.44,5.56 69.1,7.9 v1(69.1,8.37) ; 72.23,1.59 97.63,1.59 ; 72.23,1.59 42.86,1.59 ; 97.63,1.59 119.86,1.59 ; 97.63,1.59 95.29,3.93 v1(95.29,8.37) ; 119.86,1.59 119.06,2.38 119.06,5.56 ; 119.86,1.59 152.4,1.59 ; v1(121.48,8.37) 121.48,7.98 119.06,5.56 ; 42.86,1.59 v1(17.7,1.59) 11.95,7.34 v1(11.95,13.14) ; 42.86,1.59 40.52,3.93 v1(40.52,8.37) ; v1(178.63,13.14) 178.63,7.98 172.24,1.59 152.4,1.59 ; 119.06,5.56 116.72,7.9 v1(116.72,8.37) ; 152.4,1.59 150.06,3.93 v1(150.06,8.37)
  Bottom w0.25: v1(17.7,1.59) 2.38,1.59 0.65,3.32 0.65,22.87 1.44,23.66 13.44,23.66 R4.2
Net-(J1-CC1): length 6.5
  Bottom w0.25: R29.2 91.77,78.58 94,76.36 J1.A5
Net-(J1-CC2): length 6.2
  Bottom w0.25: J1.B5 97,76.62 98.96,78.58 R30.2
Net-(U5--): length 6.6
  Bottom w0.25: R15.2 R13.2 28.88,18.36 28.88,17.12 28.16,16.4 28.16,15.84 U5.4 27.05,15.56 R14.1
Net-(U8-PA9): length 5.4
  Bottom w0.25: R4.1 16.05,23.56 U8.30
Net-(U8-PA10): length 5.2
  Bottom w0.25: R1.1 15.56,24.06 U8.31
Net-(U8-PA13): length 5.2
  Bottom w0.25: U8.34 15.55,25.56 R2.1
Net-(U8-PA14): length 1.8
  Bottom w0.25: R3.1 21.86,27.98 U8.37

## Copper pours and planes (outline as drawn; the poured copper is in the pictures)
GND on Top, Bottom: -11.91,86.52 205.58,86.52 205.58,-9.52 -11.91,-9.52

## Text on the board
B.Silkscreen: ISO | JLCJLCJLCJLC | boot | 1.25 | 1.75 | 2.25 | 7 | 1 | & Calvin0563 | by haizeus | BAT | + | - | EC
F.Silkscreen: 𝔓𝔞𝔫𝔡𝔢𝔪𝔬𝔫𝔦𝔲𝔪 | concept by haizeus | design by Calvin0563 | BAT | + | -
